# Altium PCB usb_keyboard.PcbDoc (part 1 of 2) (continued)
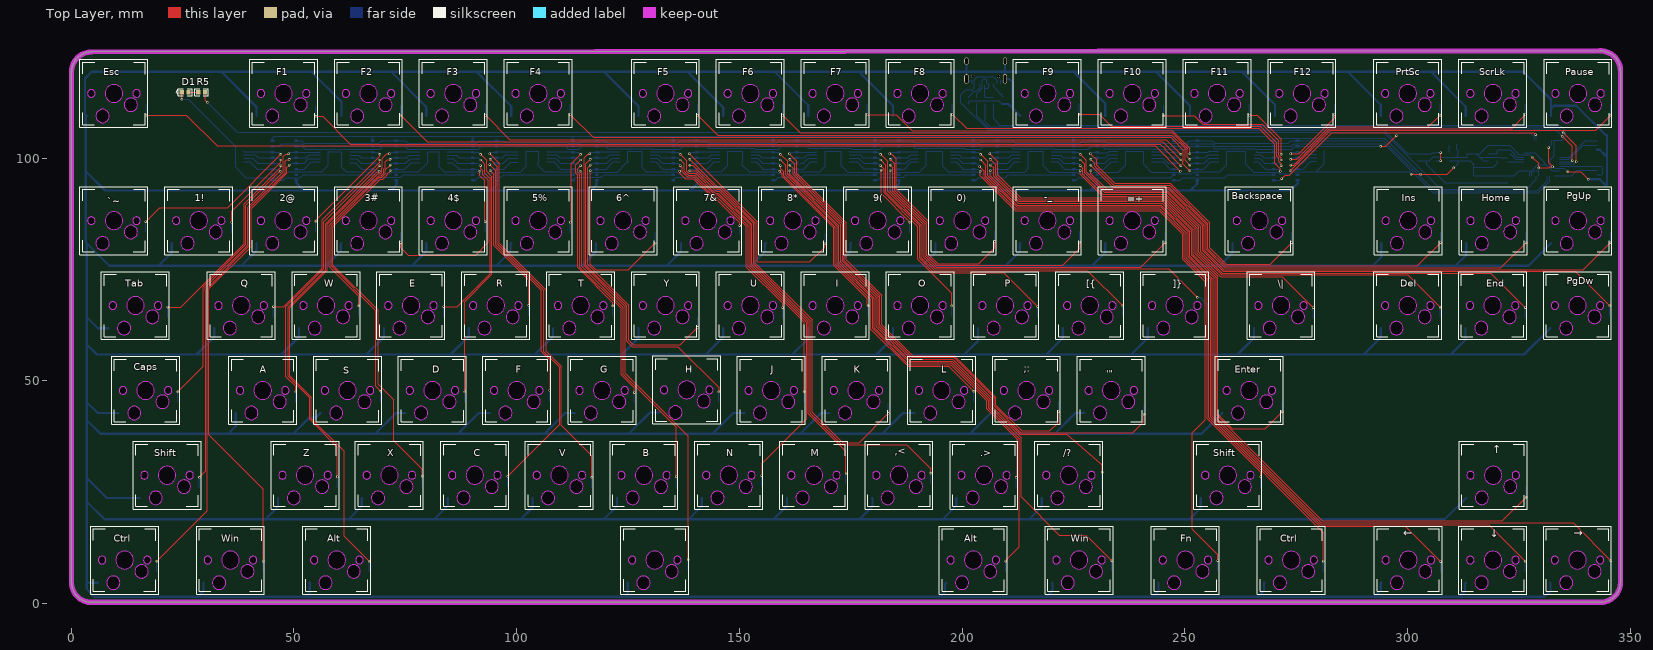
[diagram p0: Top Layer view]
## Part data
C1 C2 C3 C4 C5 C6 C7 C8 C9 C10 C11: library part 电容, "Capacitor"
D1: "Typical INFRARED GaAs LED", LatestRevisionDate=08-Jul-2005, LatestRevisionNote="Mech Layer 1 removed.", PackageDescription="LED; 2 Leads", PackageReference=LED-0, Published=8-Jun-2000, Publisher="Altium Limited"
R1 R2 R3 R4 R5 R6 R7: library part 电阻, "Resistor"
REG1 REG2 REG3 REG4 REG5 REG6 REG7 REG8 REG9 REG10 REG11 REG12 REG13 REG14 REG15 REG16 REG17 REG18 REG19 REG20 REG21 REG22: library part 排阻, "阻值:10kΩ;精度:±5%;单个元件功率:62.5mW;温度系数:±200ppm/;电阻器数:4;引脚数:8;"
U1: "ARM Cortex-M3 32-bit MCU, 64 KB Flash, 20 KB Internal RAM, 37 I/Os, 48-pin LQFP, -40 to 85 degC, Tray", I/Os (High Current)=37, Operating Frequency(F) (Processor speed) (MHz)=72, Supplier Part Number 1=497-6063-ND, Supply Voltage(Vcc) min (V)=2, A/D Converter="2x12-bit (10 Channel)", ComponentLink1Description="Manufacturer URL", ComponentLink1URL=http://www.st.com/web/en/home.html, ComponentLink2Description=Datasheet, ComponentLink2URL=http://www.st.com/st-web-ui/static/active/en/resource/technical/document/datasheet/CD00161566.pdf, ComponentLink3Description="Package Specification", ComponentLink3URL=http://www.st.com/st-web-ui/static/active/en/resource/technical/document/datasheet/DM00058181.pdf, Core="ARM Cortex-M3", DatasheetVersion="Rev. 16", FLASH Size (Prog) (kB)=64, Internal RAM Size (kB)=20, Mounting Technology="Surface Mount", PackageDescription="48-Pin Low Profile Quad Flat Package, 7 x 7 mm Body, 0.5 mm Pitch", PackageReference=LQFP48, PackageVersion="Rev. 6, 06/2013", Packing=Tray, PartNumber=STM32F103C8T6, Supplier 1=Digi-Key, Supplier 2=Farnell, Supplier 3=Newark, Supplier 4=Newark, Supplier 5=Mouser, Supplier Part Number 2=1447637, Supplier Part Number 3=59M2182, Supplier Part Number 4=57P1222, Supplier Part Number 5=511-STM32F103C8T6
U4: library part LP2992, "LDO"
U5 U6 U7 U8 U9 U10 U11 U12 U13 U14 U15: Manufacturer=Nexperia(安?, Add into BOM=yes, Convert to PCB=yes, Datasheet=https://atta.szlcsc.com/upload/public/pdf/source/20160218/1457707760975.pdf, Device=74HC165D,653, LCSC Part Name=74HC165D,653, Manufacturer Part=74HC165D,653, Pin Type=IN, Supplier=LCSC, Supplier Footprint=SOIC-16_150mil, Supplier Part=C5613, Symbol=74HC165D,653
USB: library part USB-Type-C-TOP
Y1: library part 晶振-3Pin, "村田贴片"
0) 1! 2@ 3# 4$ 5% 6^ 7& 8* 9( "'\"" ,< -_ .> /? ;: =+ [{ \| ]} `~ A Alt Alt B Backspace C Caps Ctrl Ctrl D Del E End Enter Esc F F1 F2 F3 F4 F5 F6 F7 F8 F9 F10 F11 F12 Fn G H Home I Ins J K L M N O P Pause PgDw PgUp PrtSc Q R S ScrLk Shift Shift SW64 T Tab U V W Win Win X Y Z ← ↑ → ↓: Add into BOM=yes, Convert to PCB=yes, Device=KEYBOARD-SW, NAME=2, NUMBER=2, Origin Footprint 2=MX-KEY, Symbol=KEYBOARD-SW
U2 U3: Add into BOM=yes, Convert to PCB=yes, Datasheet=https://atta.szlcsc.comnull, Device=SH1.0-3P-STAND, LCSC Part Name=SH1.0-3P-STAND, Manufacturer Part=SH1.0-3P-STAND, Pin Type=IN, Supplier=LCSC, Supplier Footprint=CONN-SMD-3P, Supplier Part=C9900023785, Symbol=SH1.0-3P-STAND

## Via types
v1: diameter 0.559, hole 0.254, Top Layer to Bottom Layer, tented both sides, 195 vias

## Nets (pads, with @x,y where several pads share a name; then routed paths per layer and width w, separated by ;. In a path a pad name is that pad's centre, name@x,y a point inside that pad or via, vN(x,y) a via of type N, cw(c..) or ccw(c..) an arc to the next point about the centre after c; other vN are vias at no path point)
GND: 0).1 1!.1 2@.1 3#.1 4$.1 5%.1 6^.1 7&.1 8*.1 9(.1 "'\".1" ,<.1 -_.1 .>.1 /?.1 ;:.1 =+.1 [{.1 \|.1 ]}.1 `~.1 A.1 Alt.1 B.1 Backspace.1 C1.1 C2.1 C3.1 C4.1 C5.1 C6.1 C7.1 C8.1 C9.1 C10.1 C11.2 C.1 Caps.1 Ctrl.1 D.1 Del.1 E.1 End.1 Enter.1 Esc.1 F1.1 F2.1 F3.1 F4.1 F5.1 F6.1 F7.1 F8.1 F9.1 F10.1 F11.1 F12.1 F.1 Fn.1 G.1 H.1 Home.1 I.1 Ins.1 J.1 K.1 L.1 M.1 N.1 O.1 P.1 Pause.1 PgDw.1 PgUp.1 PrtSc.1 Q.1 R1.2 R3.1 R.1 S.1 ScrLk.1 Shift.1 SW64.1 T.1 Tab.1 U1.8 U1.23 U1.35 U1.44 U1.47 U2.3 U2.4 U2.5 U3.3 U3.4 U3.5 U4.2 U5.8 U6.8 U7.8 U8.8 U9.8 U10.8 U11.8 U12.8 U13.8 U14.8 U15.8 U.1 USB.1 USB.2 USB.3 USB.4 USB.A1 USB.A12 USB.B1 USB.B12 V.1 W.1 Win.1 X.1 Y1.2 Y.1 Z.1 ←.1 ↑.1 →.1 ↓.1 | length 3077.9
  Top Layer w0.254: v1(328.009,100.207) 329.416,98.8 v1(329.416,97.784) 331.829,97.784 332.093,98.048 v1(332.581,98.048) 331.692,98.937 v1(331.692,102.366) ; v1(336.01,96.905) 338.931,96.905 v1(340.582,95.254)
  Bottom Layer w0.254: USB.3@201.002,117.777 201.002,117.664 201.347,117.319 202.254,117.319 202.277,117.296 USB.B12@202.277,116.737 ; R1.2@201.39,112.145 201.517,112.272 201.517,112.653 201.753,112.889 208.241,112.889 208.985,112.145 R3.1@209.01,112.145 ; USB.A12@208.677,116.737 208.677,117.296 208.7,117.319 209.307,117.319 209.652,117.664 USB.4@209.652,117.777 ; C10.1@302.355,99.429 C9.1@304.371,99.429 ; C8.1@311.007,103.128 311.101,103.034 311.101,102.002 311.372,101.731 C5.1@311.372,100.969 ; C5.1@311.245,100.842 311.245,100.461 310.991,100.207 ; 316.232,100.173 316.96,99.445 C11.2@318.103,99.445 ; C3.1@322.548,94.476 C2.1@320.643,94.476 C6.1@314.928,94.476 308.435,94.476 304.371,98.54 304.371,99.413 C9.1@304.387,99.429 304.879,99.429 305.784,100.334 U4.2@306.443,100.334 307.066,100.334 307.193,100.207 310.991,100.207 ; Y1.2@322.548,100.08 320.885,100.08 320.741,100.224 316.18,100.224 315.436,100.969 ; v1@327.882,100.334 327.513,100.703 U1.8@326.143,100.703 325.1,100.703 322.929,102.874 318.103,102.874 316.198,100.969 315.436,100.969 ; U1.47@327.918,95.928 327.92,95.93 327.92,96.652 328.427,97.159 329.152,97.159 329.416,96.895 ; v1(329.416,97.784) 329.416,96.895 ; U1.44@329.418,95.928 329.416,95.93 329.416,96.895 ; v1@331.756,102.429 332.418,103.092 U1.23@332.418,103.978 ; 332.835,97.921 333.053,97.703 U1.35@334.193,97.703 335.212,97.703 v1(336.01,96.905) ; 310.991,100.207 313.404,100.207 C4.1@313.404,100.969 315.436,100.969
  Bottom Layer w0.508: Ctrl.1@5.96,4.67 3.834,4.67 3.547,4.957 ; Tab.1@8.373,61.82 5.97,61.82 3.547,64.243 ; Caps.1@10.659,42.77 5.993,42.77 3.547,45.216 ; Shift.1@15.485,23.72 8.025,23.72 3.547,28.198 ; 1!.1@22.597,80.87 22.597,78.767 19.653,75.823 ; Win.1@29.709,4.67 29.709,2.821 28.416,1.528 ; Q.1@32.122,61.82 32.122,59.844 28.162,55.884 ; A.1@36.948,42.77 36.948,39.778 35.274,38.104 ; 41.647,80.87 41.624,80.847 41.624,79.252 38.195,75.823 ; F1.1@41.647,109.445 41.647,111.487 33.75,119.384 ; Z.1@46.473,23.72 46.473,21.744 43.656,18.927 ; U15.8@50.612,95 50.612,94.394 52.292,92.714 ; W.1@51.172,61.82 51.172,59.844 47.212,55.884 ; Alt.1@53.585,4.67 53.585,2.521 52.592,1.528 ; S.1@55.998,42.77 54.977,41.748 53.524,41.748 49.879,38.104 ; 3#.1@60.697,80.87 60.547,80.72 60.547,79.125 57.245,75.823 ; F2.1@60.697,109.445 60.697,112.63 53.943,119.384 ; X.1@65.396,23.72 65.246,23.57 65.246,21.848 62.325,18.927 ; E.1@70.222,61.82 70.222,59.844 66.262,55.884 ; U14.8@73.091,95 73.091,94.081 71.723,92.714 ; D.1@75.048,42.77 72.96,42.77 68.294,38.104 ; 4$.1@79.747,80.87 79.747,79.021 76.549,75.823 ; F3.1@79.747,109.445 79.747,111.487 71.85,119.384 ; C.1@84.573,23.72 84.573,21.952 81.548,18.927 ; R.1@89.272,61.82 89.272,59.971 85.185,55.884 ; F.1@93.971,42.77 91.502,42.77 86.836,38.104 ; U13.8@95.57,95 95.472,94.902 95.472,93.984 94.202,92.714 ; 5%.1@98.797,80.87 98.647,80.72 98.647,78.998 95.472,75.823 ; F4.1@98.797,109.445 98.797,111.614 91.027,119.384 ; V.1@103.559,23.72 103.559,21.553 100.933,18.927 ; T.1@108.322,61.82 108.172,61.67 108.172,59.948 104.108,55.884 ; G.1@113.148,42.77 110.933,42.77 106.267,38.104 ; 6^.1@117.847,80.87 117.847,79.021 114.649,75.823 ; U12.8@118.049,95 117.951,94.902 117.951,93.984 116.681,92.714 ; B.1@122.546,23.72 122.546,21.871 119.602,18.927 ; SW64.1@124.959,4.67 124.959,2.313 124.174,1.528 ; Y.1@127.372,61.82 127.372,59.59 123.666,55.884 ; F5.1@127.372,109.445 127.372,111.66 119.648,119.384 ; H.1@132.134,42.897 129.983,42.897 125.19,38.104 ; 7&.1@136.897,80.87 136.897,79.021 133.699,75.823 ; U11.8@140.528,95 140.528,94.208 139.033,92.714 ; N.1@141.596,23.72 141.596,21.871 138.652,18.927 ; U.1@146.422,61.82 146.422,59.844 142.462,55.884 ; F6.1@146.422,109.445 146.422,111.36 138.398,119.384 ; J.1@151.121,42.77 148.652,42.77 143.986,38.104 ; 8*.1@155.947,80.87 155.797,80.72 155.797,78.998 152.622,75.823 ; M.1@160.688,23.72 160.688,21.909 157.705,18.927 ; U10.8@163.007,95 163.007,93.827 161.893,92.714 ; I.1@165.472,61.82 165.472,59.463 161.893,55.884 ; F7.1@165.472,109.445 165.472,111.868 157.956,119.384 ; K.1@170.234,42.77 168.337,42.77 163.671,38.104 ; 174.997,80.87 174.974,80.847 174.974,78.998 171.799,75.823 ; 179.781,23.72 179.927,23.573 179.927,21.848 177.006,18.927 ; O.1@184.522,61.82 184.522,59.59 180.816,55.884 ; F8.1@184.522,109.445 184.522,111.741 176.879,119.384 ; U9.8@185.867,95 185.867,94.208 184.372,92.714 ; L.1@189.348,42.77 186.752,42.77 182.086,38.104 ; 0).1@194.047,80.87 194.047,78.767 191.103,75.823 ; Alt.1@196.46,4.67 196.183,4.393 196.183,2.671 195.04,1.528 ; .>.1@198.873,23.72 198.723,23.57 198.723,21.975 195.675,18.927 ; USB.3@201.002,117.777 201.002,119.384 ; USB.2@201.002,121.777 201.002,119.384 ; P.1@203.572,61.82 203.572,58.955 200.501,55.884 ; U8.8@207.965,95 207.965,93.7 206.978,92.714 ; 208.398,42.77 206.437,42.77 201.771,38.104 ; R3.1@209.01,112.145 210.397,112.145 211.368,111.173 ; USB.1@209.652,121.777 209.652,119.384 ; -_.1@213.097,80.87 212.947,80.72 212.947,78.998 209.772,75.823 ; F9.1@213.097,109.445 211.368,111.173 ; /?.1@217.923,23.72 217.923,21.744 215.106,18.927 ; Win.1@220.209,4.67 220.313,4.565 220.313,2.925 218.916,1.528 ; [{.1@222.622,61.82 222.622,59.59 218.916,55.884 ; 227.448,42.77 225.487,42.77 220.821,38.104 ; U7.8@230.444,95 230.444,94.335 228.822,92.714 ; =+.1@232.147,80.87 232.147,78.767 229.203,75.823 ; F10.1@232.147,109.445 232.147,112.249 225.012,119.384 ; ]}.1@241.672,61.82 241.672,59.59 237.966,55.884 ; Fn.1@244.085,4.67 244.085,2.821 242.792,1.528 ; F11.1@251.197,109.445 251.197,111.741 243.554,119.384 ; U6.8@252.923,95 252.825,94.902 252.825,94.238 251.301,92.714 ; Shift.1@253.61,23.72 253.61,21.49 251.047,18.927 ; Enter.1@258.436,42.77 253.77,38.104 220.821,38.104 ; Backspace.1@260.699,80.87 260.699,78.744 257.778,75.823 ; \|.1@265.548,61.82 265.548,59.59 261.842,55.884 ; Ctrl.1@267.834,4.67 267.811,4.647 267.811,2.925 266.414,1.528 ; F12.1@270.247,109.445 270.247,111.995 262.858,119.384 ; U5.8@275.402,95 275.402,94.408 273.707,92.714 251.301,92.714 ; Del.1@293.996,61.82 293.996,59.717 290.163,55.884 ; PrtSc.1@293.996,109.445 293.996,111.995 286.607,119.384 ; ←.1@294.123,4.67 293.973,4.52 293.973,2.925 292.322,1.528 ; Ins.1@294.123,80.87 294.123,77.751 292.195,75.823 ; 311.622,1.524 330.779,1.524 332.096,2.841 →.1@332.096,4.67 ; End.1@313.046,61.82 313.046,59.209 309.721,55.884 ; ↓.1@313.109,4.67 312.896,4.456 312.896,2.798 311.626,1.528 292.322,1.528 ; ScrLk.1@313.109,109.445 313.109,111.55 305.276,119.384 ; ↑.1@313.173,23.72 308.38,18.927 251.047,18.927 ; Home.1@313.173,80.87 313.173,78.259 310.737,75.823 ; PgDw.1@332.096,61.82 326.16,55.884 309.721,55.884 ; PgUp.1@332.223,80.87 327.176,75.823 310.737,75.823 ; Pause.1@332.223,109.445 332.223,111.152 ; v1(340.582,95.254) 340.59,95.262 342.606,95.262 U2.3@342.614,95.27 343.164,95.27 344.464,93.97 U2.5@344.764,93.97 U2.4@344.764,98.57 U3.5@344.764,100.558 ; U3.3@342.614,101.858 343.164,101.858 344.464,100.558 U3.5@344.764,100.558 ; 3.275,97.032 3.275,109.173 Esc.1@3.547,109.445 3.143,109.848 3.143,117.86 4.667,119.384 33.75,119.384 ; 3.275,97.032 3.275,81.141 `~.1@3.547,80.87 ; 3.275,97.032 7.593,92.714 52.292,92.714 ; 3.547,4.957 3.547,22.864 ; 3.547,4.957 3.547,3.283 4.826,2.004 4.826,1.825 5.124,1.528 28.416,1.528 ; 3.547,22.864 3.547,28.198 ; 3.547,22.864 7.484,18.927 43.656,18.927 ; 3.547,28.198 3.547,41.152 ; 3.547,41.152 3.547,45.216 ; 3.547,41.152 6.595,38.104 35.274,38.104 ; 3.547,45.216 3.547,58.17 ; 3.547,58.17 3.547,64.243 ; 3.547,58.17 5.833,55.884 28.162,55.884 ; 3.547,64.243 `~.1@3.547,80.87 ; `~.1@3.547,80.87 8.594,75.823 19.653,75.823 ; 19.653,75.823 38.195,75.823 ; 28.162,55.884 47.212,55.884 ; 28.416,1.528 52.592,1.528 ; 33.75,119.384 53.943,119.384 ; 35.274,38.104 49.879,38.104 ; 38.195,75.823 57.245,75.823 ; 43.656,18.927 62.325,18.927 ; 47.212,55.884 66.262,55.884 ; 49.879,38.104 68.294,38.104 ; 52.292,92.714 71.723,92.714 ; 52.592,1.528 124.174,1.528 ; 53.943,119.384 71.85,119.384 ; 57.245,75.823 76.549,75.823 ; 62.325,18.927 81.548,18.927 ; 66.262,55.884 85.185,55.884 ; 68.294,38.104 86.836,38.104 ; 71.723,92.714 94.202,92.714 ; 71.85,119.384 91.027,119.384 ; 76.549,75.823 95.472,75.823 ; 81.548,18.927 100.933,18.927 ; 85.185,55.884 104.108,55.884 ; 86.836,38.104 106.267,38.104 ; 91.027,119.384 119.648,119.384 ; 94.202,92.714 116.681,92.714 ; 95.472,75.823 114.649,75.823 ; 100.933,18.927 119.602,18.927 ; 104.108,55.884 123.666,55.884 ; 106.267,38.104 125.19,38.104 ; 114.649,75.823 133.699,75.823 ; 116.681,92.714 139.033,92.714 ; 119.602,18.927 138.652,18.927 ; 119.648,119.384 138.398,119.384 ; 123.666,55.884 142.462,55.884 ; 124.174,1.528 195.04,1.528 ; 125.19,38.104 143.986,38.104 ; 133.699,75.823 152.622,75.823 ; 138.398,119.384 157.956,119.384 ; 138.652,18.927 157.705,18.927 ; 139.033,92.714 161.893,92.714 ; 142.462,55.884 161.893,55.884 ; 143.986,38.104 163.671,38.104 ; 152.622,75.823 171.799,75.823 ; 157.705,18.927 177.006,18.927 ; 157.956,119.384 176.879,119.384 ; 161.893,55.884 180.816,55.884 ; 161.893,92.714 184.372,92.714 ; 163.671,38.104 182.086,38.104 ; 171.799,75.823 191.103,75.823 ; 176.879,119.384 201.002,119.384 ; 177.006,18.927 195.675,18.927 ; 180.816,55.884 200.501,55.884 ; 182.086,38.104 201.771,38.104 ; 184.372,92.714 206.978,92.714 ; 191.103,75.823 209.772,75.823 ; 195.04,1.528 218.916,1.528 ; 195.675,18.927 215.106,18.927 ; 200.501,55.884 218.916,55.884 ; 201.002,119.384 209.652,119.384 ; 201.771,38.104 220.821,38.104 ; 206.978,92.714 228.822,92.714 ; 209.652,119.384 225.012,119.384 ; 209.652,119.384 USB.4@209.652,117.777 210.617,117.777 211.368,117.025 211.368,111.173 ; 209.772,75.823 229.203,75.823 ; 215.106,18.927 251.047,18.927 ; 218.916,1.528 242.792,1.528 ; 218.916,55.884 237.966,55.884 ; 225.012,119.384 243.554,119.384 ; 228.822,92.714 251.301,92.714 ; 229.203,75.823 257.778,75.823 ; 237.966,55.884 261.842,55.884 ; 242.792,1.528 266.414,1.528 ; 243.554,119.384 262.858,119.384 ; 257.778,75.823 292.195,75.823 ; 261.842,55.884 290.163,55.884 ; 262.858,119.384 286.607,119.384 ; 266.414,1.528 292.322,1.528 ; 286.607,119.384 305.276,119.384 ; 290.163,55.884 309.721,55.884 ; 292.195,75.823 310.737,75.823 ; 305.276,119.384 325.977,119.384 332.223,113.138 332.223,111.152 ; 332.223,111.152 332.835,111.764 337.908,111.764 344.514,105.158 U3.4@344.764,105.158 U3.5@344.764,100.558
LED_CAP: R5.1 U1.45 | length 310.5
  Top Layer w0.254: R5.1@30.083,114.812 30.083,113.018 v1(30.575,112.526)
  Bottom Layer w0.254: v1(30.575,112.526) 37.306,105.795 294.639,105.795 307.415,93.018 326.731,93.018 328.918,95.206 U1.45@328.918,95.928
NetC8_2: C8.2 U4.4 | length 1.6
  Bottom Layer w0.254: U4.4@309.339,101.284 C8.2@309.339,102.867
NetC11_1: C11.1 R6.1 U1.7 | length 9.6
  Bottom Layer w0.254: C11.1@318.103,100.985 318.119,100.969 R6.1@320.135,100.969 320.16,100.969 320.16,101.756 320.262,101.858 323.035,101.858 324.69,100.203 U1.7@326.143,100.203
NetD1_A: D1.A R5.2 | length 2.1
  Top Layer w0.254: D1.A@26.4,114.812 R5.2@28.543,114.812
NetR1_1: R1.1 USB.A5 | length 4.5
  Bottom Layer w0.254: R1.1@201.39,113.685 201.415,113.685 202.699,114.969 203.198,114.969 204.054,115.825 204.054,116.714 USB.A5@204.077,116.737
NetR3_2: R3.2 USB.B5 | length 4
  Bottom Layer w0.254: USB.B5@207.077,116.737 207.1,116.714 207.1,115.963 208.632,114.431 208.883,114.431 208.883,114.023 209.11,113.796 R3.2@209.137,113.796
NetREG1_5: F11.2 REG1.5 U5.14 | length 21.1
  Top Layer w0.254: v1(264.509,109.605) 266.287,109.605 271.621,104.271 v1(271.621,100.842)
  Bottom Layer w0.254: v1(264.509,109.605) F11.2@264.509,111.946 ; REG1.5@265.906,101.604 266.16,101.35 U5.14@269.93,101.35 271.113,101.35 v1(271.621,100.842)
NetREG1_6: F10.2 REG1.6 U5.13 | length 41.4
  Top Layer w0.254: v1(245.332,109.478) 252.171,109.478 254.076,107.573 267.43,107.573 271.062,103.94 271.062,100.61 271.621,100.051 v1(271.621,99.572)
  Bottom Layer w0.254: v1(245.332,109.478) F10.2@245.332,111.819 ; REG1.6@265.652,100.715 267.049,100.715 267.684,100.08 U5.13@269.93,100.08 271.113,100.08 v1(271.621,99.572)
NetREG1_7: F9.2 REG1.7 U5.12 | length 61.6
  Top Layer w0.254: v1(226.282,109.859) 230.854,109.859 233.546,107.166 266.947,107.166 270.656,103.458 270.656,100.442 271.062,100.035 271.062,99.34 271.621,98.781 v1(271.621,98.302)
  Bottom Layer w0.254: v1(226.282,109.859) F9.2@226.282,112.2 ; REG1.7@265.652,99.953 265.671,99.934 266.824,99.934 267.948,98.81 U5.12@269.93,98.81 271.113,98.81 v1(271.621,98.302)
NetREG1_8: F8.2 REG1.8 U5.11 | length 90.7
  Top Layer w0.254: v1@197.961,109.605 198.088,109.605 201.009,106.684 266.668,106.684 270.249,103.102 270.249,98.883 271.494,97.638 v1(271.494,97.032)
  Bottom Layer w0.254: v1(197.834,109.732) F8.2@197.834,112.073 ; REG1.8@265.536,99.134 266.471,99.134 268.065,97.54 U5.11@269.93,97.54 270.986,97.54 v1(271.494,97.032)
NetREG2_5: F3.2 REG2.5 U6.14 | length 169.3
  Top Layer w0.254: v1@92.932,109.605 v1(93.059,109.605) 98.52,104.144 245.84,104.144 v1(249.142,100.842)
  Bottom Layer w0.254: v1(93.059,109.605) F3.2@93.059,111.946 ; REG2.5@242.549,101.534 242.606,101.477 245.586,101.477 245.713,101.35 U6.14@247.451,101.35 ; U6.14@247.267,101.534 U6.14@247.451,101.35 ; v1(249.142,100.842) 248.634,101.35 U6.14@247.451,101.35
NetREG2_6: F2.2 REG2.6 U6.13 | length 188.7
  Top Layer w0.254: v1@74.009,109.605 74.009,109.56 74.15,109.419 74.194,109.419 79.978,103.636 245.078,103.636 v1(249.142,99.572)
  Bottom Layer w0.254: v1(74.009,109.478) F2.2@74.009,111.819 ; REG2.6@242.549,100.734 245.567,100.734 246.221,100.08 U6.13@247.451,100.08 248.634,100.08 v1(249.142,99.572)
NetREG2_7: F1.2 REG2.7 U6.12 | length 208.2
  Top Layer w0.254: v1(54.959,109.351) 56.483,109.351 62.706,103.128 244.548,103.128 245.586,102.09 245.586,101.858 v1(249.142,98.302)
  Bottom Layer w0.254: v1(54.959,109.351) F1.2@54.959,111.692 ; REG2.7@242.549,99.934 245.224,99.934 246.348,98.81 U6.12@247.11,98.81 ; U6.12@247.451,98.81 248.634,98.81 v1(249.142,98.302)
NetREG2_8: Esc.2 REG2.8 U6.11 | length 247
  Top Layer w0.254: v1(16.859,109.605) 25.876,109.605 32.759,102.721 243.325,102.721 v1(249.015,97.032)
  Bottom Layer w0.254: v1(16.859,109.605) Esc.2@16.859,111.946 ; REG2.8@242.549,99.134 245.172,99.134 246.767,97.54 U6.11@247.451,97.54 248.507,97.54 v1(249.015,97.032)
NetREG3_5: PgDw.2 REG3.5 U7.14 | length 146.9
  Top Layer w0.254: v1(226.536,100.842) 227.908,99.47 227.908,96.93 232.145,92.693 246.087,92.693 253.993,84.786 253.993,79.198 258.614,74.578 337.636,74.578 v1(345.408,66.806)
  Bottom Layer w0.254: REG3.5@220.081,101.534 220.199,101.416 224.906,101.416 U7.14@224.972,101.35 ; U7.14@224.845,101.35 U7.14@224.972,101.35 ; v1(226.536,100.842) 226.028,101.35 U7.14@224.972,101.35 ; PgDw.2@345.408,64.464 v1(345.408,66.806)
NetREG3_6: End.2 REG3.6 U7.13 | length 127.3
  Top Layer w0.254: v1(226.536,99.572) 227.501,98.606 227.501,96.762 231.976,92.287 245.918,92.287 253.587,84.618 253.587,79.03 258.445,74.172 318.738,74.172 v1(326.485,66.425)
  Bottom Layer w0.254: REG3.6@220.081,100.734 220.126,100.689 222.116,100.689 222.726,100.08 U7.13@224.972,100.08 226.028,100.08 v1(226.536,99.572) ; End.2@326.485,64.083 v1(326.485,66.425)
NetREG3_7: Del.2 REG3.7 U7.12 | length 107.4
  Top Layer w0.254: v1(226.536,98.302) 227.095,97.743 227.095,96.413 231.627,91.88 245.75,91.88 253.181,84.45 253.181,78.862 258.277,73.765 300.094,73.765 v1(307.308,66.552)
  Bottom Layer w0.254: REG3.7@220.081,99.934 221.729,99.934 222.853,98.81 U7.12@224.972,98.81 226.028,98.81 v1(226.536,98.302) ; Del.2@307.308,64.21 v1(307.308,66.552)
NetREG3_8: \|.2 REG3.8 U7.11 | length 78.4
  Top Layer w0.254: v1(226.536,97.159) 226.561,97.133 226.561,96.371 231.459,91.474 245.582,91.474 252.774,84.281 252.774,78.693 258.109,73.359 271.926,73.359 v1(278.86,66.425)
  Bottom Layer w0.254: REG3.8@220.081,99.134 221.513,99.134 223.107,97.54 U7.11@224.972,97.54 226.155,97.54 v1(226.536,97.159) ; \|.2@278.86,64.083 v1(278.86,66.425)
NetREG4_5: REG4.5 U8.14 ←.2 | length 173.8
  Top Layer w0.254: v1(204.184,100.842) 205.784,99.241 205.784,96.06 212.402,89.442 244.74,89.442 250.742,83.44 250.742,77.852 255.822,72.772 255.822,41.825 280.32,17.326 299.51,17.326 v1(307.435,9.402)
  Bottom Layer w0.254: REG4.5@197.453,101.534 197.571,101.416 202.466,101.416 U8.14@202.533,101.35 ; U8.14@202.493,101.35 U8.14@202.533,101.35 ; v1(204.184,100.842) 203.676,101.35 U8.14@202.533,101.35 ; ←.2@307.435,7.06 v1(307.435,9.402)
NetREG4_6: Ctrl.2@281.235,7.21 REG4.6 U8.13 | length 150.4
  Top Layer w0.254: v1(204.184,99.572) 205.378,98.378 205.378,95.892 212.234,89.036 244.572,89.036 250.336,83.271 250.336,77.683 255.416,72.603 255.416,41.656 281.146,15.926 v1@281.146,9.656
  Bottom Layer w0.254: REG4.6@197.453,100.734 199.332,100.734 199.986,100.08 202.025,100.08 202.152,99.953 202.366,99.953 U8.13@202.493,100.08 203.676,100.08 v1(204.184,99.572) ; Ctrl.2@281.146,7.187 v1(281.146,9.529)
NetREG4_7: REG4.7 Shift.2@267.011,26.26 U8.12 | length 124.3
  Top Layer w0.254: v1(203.93,98.048) 204.971,97.006 204.971,95.723 212.066,88.629 244.403,88.629 249.929,83.103 249.929,77.515 255.009,72.435 255.009,41.488 267.049,29.448 v1(267.049,28.452)
  Bottom Layer w0.254: REG4.7@197.453,99.934 199.063,99.934 200.188,98.81 203.173,98.81 203.93,98.053 v1(203.93,98.048) ; Shift.2@267.049,26.11 v1(267.049,28.452)
NetREG4_8: Fn.2 REG4.8 U8.11 | length 140.6
  Top Layer w0.254: v1(204.057,97.032) 204.057,96.063 211.897,88.223 244.235,88.223 249.523,82.935 249.523,77.347 254.603,72.267 254.603,41.279 251.682,38.358 251.682,16.641 257.397,10.926 v1(257.397,9.656)
  Bottom Layer w0.254: REG4.8@197.453,99.134 198.653,99.134 200.247,97.54 U8.11@202.493,97.54 203.549,97.54 v1(204.057,97.032) ; Fn.2@257.397,7.314 v1(257.397,9.656)
NetREG5_5: [{.2 REG5.5 U9.14 | length 86.3
  Top Layer w0.254: v1(181.705,100.842) 183.305,99.241 183.305,92.545 190.9,84.951 190.9,77.664 193.859,74.705 228.162,74.705 v1(236.061,66.806)
  Bottom Layer w0.254: REG5.5@174.731,101.534 174.731,101.488 174.72,101.477 174.78,101.416 179.948,101.416 180.014,101.35 181.197,101.35 v1(181.705,100.842) ; [{.2@236.061,64.464 v1(236.061,66.806)
NetREG5_6: P.2 REG5.6 U9.13 | length 66.5
  Top Layer w0.254: v1(181.705,99.572) 182.899,98.378 182.899,92.377 190.493,84.782 190.493,77.496 193.69,74.299 209.391,74.299 v1(217.011,66.679)
  Bottom Layer w0.254: REG5.6@174.731,100.734 177.114,100.734 177.768,100.08 U9.13@180.395,100.08 181.197,100.08 v1(181.705,99.572) ; P.2@217.011,64.337 v1(217.011,66.679)
NetREG5_7: O.2 REG5.7 U9.12 | length 48.1
  Top Layer w0.254: v1(181.705,98.302) 182.492,97.514 182.492,92.209 190.087,84.614 190.087,77.327 197.707,69.707 v1(197.707,66.806)
  Bottom Layer w0.254: REG5.7@174.731,99.934 176.771,99.934 177.895,98.81 U9.12@180.395,98.81 181.197,98.81 v1(181.705,98.302) ; O.2@197.707,64.464 v1(197.707,66.806)
NetREG5_8: 9(.2 REG5.8 U9.11 | length 24.5
  Top Layer w0.254: v1(181.832,97.286) 181.832,92.079 188.21,85.701 v1@188.282,85.701
  Bottom Layer w0.254: REG5.8@174.731,99.134 176.428,99.134 177.997,97.565 180.37,97.565 U9.11@180.395,97.54 180.462,97.473 181.562,97.473 181.75,97.286 v1(181.832,97.286) ; 188.309,83.26 v1(188.309,85.602)
NetREG6_5: Alt.2@209.861,7.21 REG6.5 U10.14 | length 129.5
  Top Layer w0.254: v1(159.226,100.842) 160.826,99.241 160.826,96.394 172.383,84.837 172.383,76.496 180.333,68.545 180.333,61.941 188.245,54.029 197.624,54.029 205.987,45.666 205.987,43.889 212.845,37.031 212.845,12.729 209.83,9.714 209.83,9.669 v1@209.69,9.529
  Bottom Layer w0.254: REG6.5@152.633,101.534 152.751,101.416 157.469,101.416 U10.14@157.535,101.35 158.718,101.35 v1(159.226,100.842) ; Alt.2@209.772,7.187 v1(209.772,9.529)
NetREG6_6: .>.2 REG6.6 U10.13 | length 108.3
  Top Layer w0.254: v1(159.226,99.572) 160.42,98.378 160.42,96.225 171.977,84.668 171.977,76.327 179.927,68.377 179.927,61.773 188.077,53.623 197.456,53.623 205.581,45.498 205.581,43.72 212.439,36.862 212.439,28.579 v1(212.185,28.325)
  Bottom Layer w0.254: REG6.6@152.633,100.734 154.409,100.734 155.064,100.08 U10.13@157.535,100.08 158.718,100.08 v1(159.226,99.572) ; .>.2@212.185,25.983 v1(212.185,28.325)
NetREG6_7: L.2 REG6.7 U10.12 | length 83.6
  Top Layer w0.254: v1(159.226,98.302) 159.28,98.248 159.28,97.641 160.013,96.908 160.013,96.057 171.57,84.5 171.57,76.159 179.521,68.209 179.521,61.605 187.909,53.217 197.072,53.217 202.561,47.728 v1@202.633,47.728
  Bottom Layer w0.254: REG6.7@152.633,99.934 154.175,99.934 155.299,98.81 U10.12@157.535,98.81 158.718,98.81 v1(159.226,98.302) ; L.2@202.66,45.287 v1(202.66,47.629)
NetREG6_8: I.2 REG6.8 U10.11 | length 48.1
  Top Layer w0.254: v1(159.099,97.032) 159.607,96.524 159.607,95.889 171.164,84.332 171.164,75.991 178.784,68.371 v1@178.784,66.806
  Bottom Layer w0.254: REG6.8@152.633,99.134 153.822,99.134 155.416,97.54 U10.11@157.535,97.54 158.591,97.54 v1(159.099,97.032) ; I.2@178.911,64.464 v1(178.911,66.806)
NetREG7_5: Pause.2 REG7.5 U5.6 | length 86.2
  Top Layer w0.254: v1(273.653,97.159) 273.726,97.159 282.769,106.201 334.737,106.201 334.763,106.226 342.284,106.226 v1(345.662,109.605)
  Bottom Layer w0.254: v1(273.653,97.159) 274.034,97.54 U5.6@275.275,97.54 ; U5.6@275.05,97.667 U5.6@275.063,97.653 ; U5.6@275.402,97.54 276.574,97.54 278.295,99.261 REG7.5@279.484,99.261 ; Pause.2@345.624,111.985 345.662,111.946 v1(345.662,109.605)
NetREG7_6: REG7.6 ScrLk.2 U5.5 | length 66.1
  Top Layer w0.254: v1(273.78,98.429) 273.799,98.448 274.44,98.448 282.6,106.607 323.361,106.607 v1(326.485,109.732)
  Bottom Layer w0.254: v1(273.78,98.429) 274.161,98.81 U5.5@275.402,98.81 276.447,98.81 277.698,100.061 REG7.6@279.484,100.061 ; v1(326.485,109.732) ScrLk.2@326.485,112.073
NetREG7_7: PrtSc.2 REG7.7 U5.4 | length 46.2
  Top Layer w0.254: v1(273.78,99.699) 275.117,99.699 282.432,107.014 304.717,107.014 v1(307.308,109.605)
  Bottom Layer w0.254: v1(273.78,99.699) 274.161,100.08 U5.4@275.402,100.08 276.574,100.08 277.355,100.861 REG7.7@279.484,100.861 ; U5.4@275.812,100.207 U5.4@275.825,100.193 ; v1(307.308,109.605) PrtSc.2@307.308,111.946
NetREG7_8: F12.2 REG7.8 U5.3 | length 21.7
  Top Layer w0.254: v1(273.78,100.969) 275.612,100.969 283.686,109.043 v1(283.686,109.732)
  Bottom Layer w0.254: v1(273.78,100.969) 274.161,101.35 U5.3@275.402,101.35 ; U5.3@275.939,101.35 277.209,101.35 277.52,101.661 REG7.8@279.484,101.661 ; v1(283.686,109.732) F12.2@283.686,112.073
NetREG8_5: F4.2 REG8.5 U6.6 | length 155.7
  Top Layer w0.254: v1(112.109,109.732) 117.189,104.652 246.831,104.652 249.701,101.781 249.701,99.34 249.601,99.24 249.601,98.732 v1(251.174,97.159)
  Bottom Layer w0.254: v1(112.109,109.732) F4.2@112.109,112.073 ; v1(251.174,97.159) 251.555,97.54 U6.6@252.796,97.54 ; U6.6@252.923,97.54 254.222,97.54 255.816,99.134 REG8.5@257.596,99.134